# KiCad board Partial_Drawer_Controller_v1_hotfix.kicad_pcb (continued)
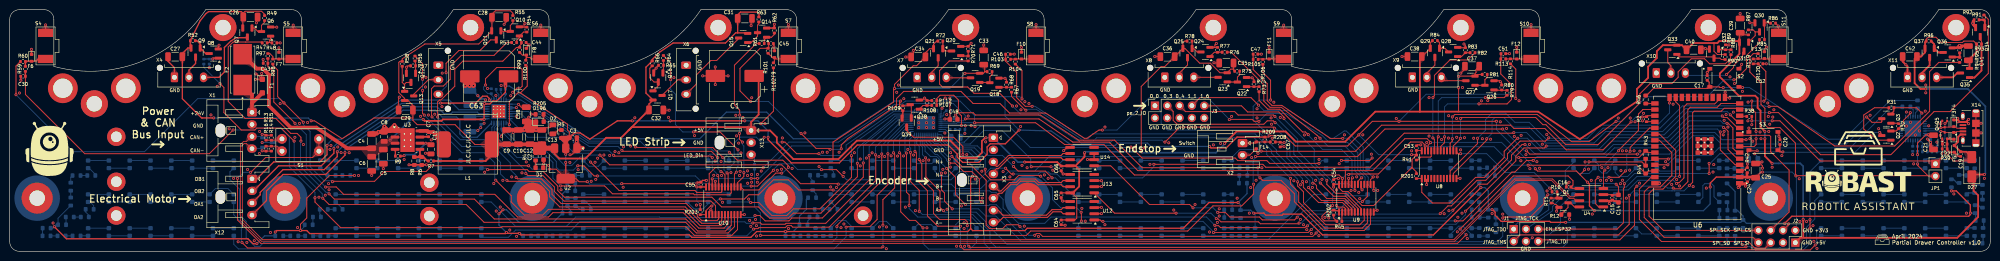
[diagram p0: board, top side]
## Routing (per net, layer and track width the routed paths; a pad name or vN(x,y) marks a point on that pad's centre or on a via; arc(x,y) is an arc through that point) (continued)
/LED_Din: length 2.3
  Bottom w0.18: X13.3 153.7,19.3 R3.1
/Power Stage/PG: length 1.6
  Top w0.25: U3.4 79.59,21.05 R9.2
  Top w0.35: 79.41,20.98 U3.4
A0: length 4.5
  Top w0.18: R41.2 290.59,18.89 291.2,19.5 293.2,19.5 293.35,19.65 U8.21
A1: length 1.6
  Top w0.18: 274.92,6.52 274.92,8.07 274.98,8.12
ADDR1: length 2.3
  Bottom w0.18: U7.39 U7.38 192.6,28 192.76,28.16 192.76,28.67 193.19,29.1
BRA: length 3.6
  Bottom w0.25: U11.23 95.04,27.95 94.96,27.87
BRB: length 3.6
  Bottom w0.25: U11.27 95.04,29.95 94.96,30.03
CAN+: length 308.9
  Top w0.153: R15.1 R13.1 52.72,24.2 v1(52.1,24.2) ; U4.7 323.25,10.47 322.79,10.92 321.93,10.92 318.23,14.62 310.72,14.62 299.76,3.66 299.76,3.66 298.2,2.1 51.92,2.1 47.6,6.42 47.6,22.08 48.22,22.7 48.83,22.7 49.88,23.75 X1.3
  Bottom w0.153: 52.52,23.45 52.22,23.75 52,23.75 ; 52,23.75 52,24.1 v1(52.1,24.2) ; 52,23.75 X1.3
CAN-: length 307.6
  Top w0.153: X1.4 49.88,21.25 48.83,22.3 48.38,22.3 48,21.92 48,6.58 52.13,2.45 298.05,2.45 310.58,14.98 318.37,14.98 322.07,11.28 322.79,11.28 323.25,11.73 U4.6 ; v1(52.1,20.8) 52.16,20.74 R14.2
  Bottom w0.153: v1(52.1,20.8) 51.9,21 51.9,21.25 ; 51.9,21.25 52.22,21.25 52.52,21.55 ; 51.9,21.25 X1.4
CAN_EN_High_Speed_Mode: length 23.9
  Top w0.18: v1(299.4,20.2) 298.9,20.2 298.55,20.55 U8.13 ; R10.1 318.29,12.59 v1(317.8,13.08)
  Bottom w0.18: 317.6,13.3 317.6,13.28 v1(317.8,13.08) 314.58,16.3 308.68,16.3 304.78,20.2 v1(299.4,20.2)
Drawer_1_A+: length 16.9
  Top w0.2: U12.6 217.39,9.04 216.98,8.63 215.11,8.63 213.96,7.48 205,7.48 203.97,8.5 X3.7
Drawer_1_A-: length 17.2
  Top w0.18: 203.2,5.8 X3.8
  Top w0.2: X3.8 203.97,6 205,7.02 214.14,7.02 215.3,8.18 216.98,8.18 217.39,7.77 U12.7
Drawer_1_B+: length 18.4
  Top w0.2: 203,12.9 X3.5 203.12,13.5 204.15,12.48 204.56,12.48 206.31,14.23 207.67,14.23 208.39,14.95 211.67,14.95 212.39,14.23 216.98,14.23 217.39,14.64 U13.6
Drawer_1_B-: length 18.5
  Top w0.2: U13.7 217.39,13.37 216.98,13.78 212.2,13.78 211.48,14.5 208.58,14.5 207.86,13.78 206.5,13.78 204.74,12.02 204.15,12.02 203.12,11 X3.6 203,11.7
Drawer_1_DIAG: length 53.7
  Top w0.18: v1(126.32,20.9) 126.52,20.7 144.8,20.7 v1(146.1,19.4) ; v1(146.77,16.49) 146.95,16.49 147.6,15.83 U10.18 ; R205.1 107.66,28.34 v1(107.6,28.4)
  Bottom w0.18: v1(126.32,20.9) 125.52,21.7 119.6,21.7 109.4,28.4 v1(107.6,28.4) 107.05,28.95 U11.11 ; v1(146.1,19.4) 146.16,19.34 146.16,17.1 v1(146.77,16.49)
Drawer_1_DIR: length 60.2
  Top w0.18: v1(113.7,13.53) 122.77,13.53 124.4,11.9 141.1,11.9 141.3,11.7 148.5,11.7 148.9,12.1 U10.16
  Bottom w0.18: 113.57,13.4 v1(113.7,13.53) 112.1,15.13 112.1,18.4 111.1,19.4 104.7,19.4 100,24.1 100,25.61 100.44,26.05 U11.19
Drawer_1_Encoder_A: length 147.1
  Top w0.18: v1(225.6,6.2) 225.3,6.2 225,6.5 U12.1 ; v1(248.4,3.9) 267.97,3.9 268.57,4.5 v1(268.6,4.5) ; U6.11 356.51,26.79 v1(355.05,28.25) ; v1(300.4,8.3) 310.81,18.71 310.81,19.71 312.49,21.39 316.69,21.39 v1(317.08,21.78)
  Bottom w0.18: 317.1,21.8 317.6,21.8 ; 317.1,21.8 v1(317.08,21.78) ; 317.1,21.8 327.55,21.8 329.85,24.1 341.4,24.1 346.19,28.89 354.44,28.89 355.05,28.28 v1(355.05,28.25) ; v1(248.4,3.9) 248.4,4.03 246.23,6.2 v1(225.6,6.2) ; v1(300.4,8.3) 300.4,7.55 298.45,5.6 269.7,5.6 v1(268.6,4.5)
Drawer_1_Encoder_B: length 134.8
  Top w0.18: U13.1 228,7.9 v1(240.7,7.9) ; v1(248.99,6.79) 249.28,6.79 249.97,6.1 257.7,6.1 258.1,5.7 265.93,5.7 v1(266.08,5.86) ; v1(317.6,23.49) 316.91,22.8 311.7,22.8 309.1,20.2 309.1,19.2 304.6,14.7 302.8,14.7 297.5,9.4 296.8,9.4 v1(295.2,7.8) ; U6.24 342.5,31.81 v1(342.5,30.7)
  Bottom w0.18: v1(240.7,7.9) 247.87,7.9 v1(248.99,6.79) ; v1(342.5,30.7) 342.5,28.6 340,26.1 328.25,26.1 325.55,23.4 317.69,23.4 v1(317.6,23.49) ; v1(266.08,5.86) 266.52,5.86 268.37,7.7 295.1,7.7 v1(295.2,7.8)
Drawer_1_Encoder_N: length 65.6
  Top w0.18: U14.1 227.21,17.7 235.2,9.7 243.5,9.7 v1(244.2,9) ; v1(249.28,8.06) 250.84,8.06 251.8,7.1 257.9,7.1 258.5,6.5 265.12,6.5 v1(265.7,7.08) ; 280.18,13.85 280.18,11.35 v1(279.11,10.29)
  Bottom w0.18: v1(249.28,8.06) 248.35,9 v1(244.2,9) ; v1(265.7,7.08) 267.02,8.4 276.4,8.4 278.33,10.33 278.36,10.31 278.84,10.31 278.87,10.29 v1(279.11,10.29)
Drawer_1_INDEX: length 52.5
  Top w0.18: 124.73,20 v1(124.62,19.88) 124.8,19.7 144.69,19.7 v1(144.98,19.41) ; v1(146.1,15.69) 146.3,15.49 U10.20
  Bottom w0.18: v1(124.62,19.88) 123.69,20.81 118.06,20.81 116.3,22.57 116.3,23.2 109.5,27.7 107.9,27.7 107.37,27.17 106.83,27.17 105.51,28.49 103.36,28.49 U11.12 ; v1(146.1,15.69) 146.1,15.9 144.98,17.02 v1(144.98,19.41)
Drawer_1_N+: length 17.6
  Top w0.2: 203.12,18.5 X3.3 203,18.19 203.62,17.57 203.86,17.57 206.11,19.83 216.95,19.83 217.36,20.23 218.82,20.23
Drawer_1_N-: length 17.8
  Top w0.2: 203.12,16 X3.4 203,16.5 203.62,17.12 204.04,17.12 206.29,19.38 216.95,19.38 217.36,18.97 218.82,18.97
Drawer_1_OA1: length 57.6
  Top w0.25: v1(67.6,20.6) 67.6,19.6 64.9,16.9 56.4,16.9 51.7,12.2 51.7,11.7 X12.3
  Bottom w0.25: v1(67.6,20.6) 68.5,21.5 81.2,29.9 88.2,29.9 89.61,28.49 91.09,28.49 91.4,28.8 96.5,28.8 96.85,28.45 U11.24
Drawer_1_OA2: length 64.7
  Top w0.25: v1(69.19,20.42) 69.19,19.89 65.2,15.9 56.4,15.9 53,12.5 53,10.5 X12.4
  Bottom w0.25: 99.41,26.6 U11.21 96.47,23.6 93.6,23.6 92.9,24.3 92.9,27.1 92.2,27.8 89.23,27.8 87.83,29.2 81.2,29.2 69.19,21.09 v1(69.19,20.42)
Drawer_1_OB1: length 56.5
  Top w0.25: v1(65.5,21.9) 65.47,21.88 65.47,19.98 64,18.5 54.5,18.5 51,15 X12.1
  Bottom w0.25: U11.26 97.05,29.45 96.9,29.3 92.7,29.3 90.7,31.3 80.8,31.3 68.4,23.18 66.6,23.18 65.5,22.08 v1(65.5,21.9)
Drawer_1_OB2: length 58.3
  Top w0.25: X12.2 50.3,12.5 55.5,17.7 64.3,17.7 66.9,20.3 v1(66.9,21.3) ; v1(88.9,30.67) 96.17,30.67 97.6,32.1 98.5,32.1 99,31.6 v1(99,31.3)
  Bottom w0.25: v1(88.9,30.67) 88.83,30.6 80.9,30.6 68.5,22.3 67.53,22.3 66.9,21.67 v1(66.9,21.3) ; 50.4,12.5 X12.2 ; v1(99,31.3) 99.42,31.3
Drawer_1_SPREAD: length 55.8
  Top w0.18: v1(129.1,21.6) 129.2,21.5 145.08,21.5 v1(147.17,19.41) ; 148.2,16.1 148.17,16.1 v1(148.04,16.23) 148.25,16.02 U10.17
  Bottom w0.18: U11.7 105.48,31.32 109.8,28.6 119.35,22.4 128.35,22.4 129.1,21.65 v1(129.1,21.6) ; 147.4,19.1 147.4,19.18 v1(147.17,19.41) 147.39,19.19 147.39,16.88 v1(148.04,16.23)
Drawer_1_STDBY_TMC2209: length 57.8
  Top w0.18: U10.4 145.65,9.46 145.15,9.96 145.14,9.96 144.7,10.4 114.4,10.4 112.4,12.4 112.4,13.3 110,15.7 106.9,15.7 v1(106.5,16.1)
  Bottom w0.18: v1(106.5,16.1) 106.5,16.6 100.65,22.45 100.65,22.6 99.5,23.75 99.5,25.65 99.94,26.09 U11.20
Drawer_1_STEP: length 54.2
  Top w0.18: v1(119.87,18.47) 125.75,12.6 141.4,12.6 141.8,12.2 146.8,12.2 146.95,12.35 U10.19
  Bottom w0.18: U11.16 101.94,25.86 102.2,25.6 102.2,24.98 105.08,22.1 110.2,22.1 114.5,17.8 116,17.8 117.72,19.52 118.83,19.52 v1(119.87,18.47)
Drawer_1_~EN_TMC2209: length 95
  Top w0.18: v1(103.8,32.9) 104.7,33.8 105.4,33.8 105.75,34.15 105.75,37.65 105.35,38.05 100.53,38.05 98.2,35.73 v1(98.2,34.4) ; v1(160.7,17.4) 160.7,17.7 159.54,18.86 150.14,18.86 v1(148.5,20.5) ; U10.13 151.47,12.7 154.6,12.7 158.09,16.19 v1(159.31,16.19)
  Bottom w0.153: U11.2 99.94,31.82 99.38,32.37 99.38,32.63
  Bottom w0.18: v1(160.7,17.4) 159.49,16.19 v1(159.31,16.19) ; 99.38,32.63 98.67,32.63 97.8,33.5 97.8,34 v1(98.2,34.4) ; v1(148.5,20.5) 148.24,20.76 145.24,20.76 144.8,21.2 131.7,21.2 130.1,22.8 119.5,22.8 105.74,31.96 104.77,32.6 104.1,32.6 v1(103.8,32.9)
Drawer_DAC_VREF: length 281.1
  Top w0.18: v1(353.4,28) 353.69,27.71 354.39,27.71 356.58,25.52 U6.10 ; v1(117.22,17.7) 118.5,17.7 120.6,15.6 v1(121.3,15.6) ; v1(153,13.5) 154.32,13.5 157.6,16.78 v1(157.6,16.78) ; v1(205.5,17.2) 206.71,15.99 v1(207.09,15.99) ; v1(310.39,24.56) 310.28,24.45 287.78,24.45 280.73,17.4 259.2,17.4 258.6,18 v1(236.1,18) ; v1(167.5,16.9) 170.6,16.9 v1(172,15.5)
  Bottom w0.18: v1(310.39,24.56) 310.41,24.58 313.02,24.58 316.41,21.19 321.69,21.19 321.7,21.2 328.05,21.2 330.35,23.5 342.1,23.5 346.6,28 v1(353.4,28) ; v1(236.1,18) 236.1,17.5 233.8,15.2 216.9,15.2 216.1,16 214.8,16 214.4,16.4 212.7,16.4 212.29,15.99 v1(207.09,15.99) ; v1(121.3,15.6) 141.5,15.6 143.01,14.09 144.39,14.09 144.98,13.5 v1(153,13.5) ; v1(167.5,16.9) 162.6,16.9 161.4,18.1 158.8,18.1 157.6,16.91 v1(157.6,16.78) ; v1(205.5,17.2) 202.43,17.2 199.59,14.36 198.34,14.36 197.9,14.8 197.9,15.65 197.06,16.49 195.94,16.49 194.25,14.8 172.7,14.8 v1(172,15.5) ; v1(117.22,17.7) 116.32,16.8 113.4,16.8 112.8,17.4 112.8,18.6 110.8,20.6 105.7,20.6 101.54,24.76 C56.1 101.44,25.36 U11.17
DTR: length 8.7
  Top w0.18: Q3.2 388.81,29.01 R31.1 393.5,29.7 v1(394.6,28.6)
  Bottom w0.18: v1(394.6,28.6) 394.25,28.25 U5.28
EN_ESP32: length 95
  Top w0.18: J1.5 331.7,4.6 333,5.9 333,13 333.2,13.2 v1(333.2,14) ; U6.3 357.73,16.63 358.6,17.5 v1(358.6,18.08) 358.6,20.65 S3.2 359.05,20.8 v1(360.6,20.8) ; C20.2 365.3,21.35 S3.2 365.28,20.57 v1(365.92,20.57) ; v1(385.9,24.6) 386.32,24.17 Q2.3 ; v1(350.7,18.2) v1(350.7,16.1)
  Bottom w0.18: v1(360.6,20.8) 360.83,20.57 v1(365.92,20.57) 365.99,20.5 380.8,20.5 384.9,24.6 v1(385.9,24.6) ; v1(350.7,18.2) 350.9,18.2 352.9,20.2 357.65,20.2 C23.1 358.6,18.75 v1(358.6,18.08) ; v1(350.7,16.1) 335.3,16.1 v1(333.2,14)
Enable_LED_VDD: length 116
  Top w0.18: v1(196.4,26.03) 196.4,28.05 195.78,28.67 ; v1(258,15.21) 258.51,14.7 262.36,14.7 265.1,11.96 265.1,10.3 271.1,4.3 279.5,4.3 280.82,5.62 U9.11 ; R107.1 R112.2 191.31,31.61 192,32.3 194.8,32.3 195.78,31.33 195.78,28.67 ; 195.78,28.67 198.82,28.67 199.3,28.2 212.7,28.2 220.6,23 228,23 233.7,17.3 257.59,17.3 v1(257.6,17.29)
  Bottom w0.18: v1(257.6,17.29) 257.6,15.61 v1(258,15.21) ; U7.43 196.37,26 v1(196.4,26.03)
FB: length 5.7
  Top w0.35: 84.1,19.52 84.28,19.52 84.66,19.89 ; 84.1,19.52 R8.1 ; 84.1,19.52 R6.1 ; U3.5 84.66,19.89 ; 84.66,19.89 R6.1 ; R6.1 85.38,19.52 86.21,18.69 R7.2
IO0: length 1.9
  Top w0.18: U6.25 339.48,30.58 337.6,30.58
IO0_BTN: length 58.3
  Top w0.18: 350.7,34.02 352.77,34.02 352.9,33.9 v1(353.6,33.9) ; 350.7,34.02 350.7,35 C17.2 ; 350.7,34.02 350.38,33.7 339.2,33.7 337.73,32.23 R46.2 ; 356.7,34.02 356.82,33.9 v1(357.6,33.9) ; Q3.3 386.32,26.83 386.2,26.7 384.3,26.7 v1(383.2,27.8)
  Bottom w0.18: v1(383.2,27.8) 383.1,27.8 378.5,23.2 375.2,23.2 359,33.9 v1(357.6,33.9) v1(353.6,33.9)
IO17_UART2_TX: length 1.8
  Top w0.18: U6.28 339.47,26.82 R2.2
IO27: length 1.6
  Top w0.18: R38.1 358.43,27.95 356.95,27.95
JTAG_TCK: length 61.2
  Top w0.18: v1(343.97,14.04) 344.13,14.2 344.5,14.2 345.5,15.2 345.5,29.9 346.1,30.5 351.86,30.5 352.69,31.34 U6.16
  Bottom w0.18: v1(343.97,14.04) 343.32,14.69 335.99,14.69 334,12.7 321.8,12.7 318.4,9.3 318.4,8.4 J1.3 313.4,4.6
JTAG_TDI: length 67
  Top w0.18: v1(343.28,13.1) 343.45,12.93 344.83,12.93 346.3,14.4 346.3,29.3 346.8,29.8 352.35,29.8 353.15,30.6 U6.14 ; v1(335.8,13.5) 335.3,13 335.3,5.4 332.27,2.38 315.75,2.38 J1.6
  Bottom w0.18: v1(335.8,13.5) 335.8,13.5 341.7,13.5 342.1,13.1 v1(343.28,13.1)
JTAG_TDO: length 56
  Top w0.18: v1(344.6,15.51) 344.6,30.12 343.81,30.92 U6.23
  Bottom w0.18: J1.1 310.36,5.06 311.2,5.9 313.8,5.9 317.6,8.6 317.6,9.6 321.3,13.3 333.6,13.3 335.81,15.51 v1(344.6,15.51)
JTAG_TMS: length 70.1
  Top w0.18: J1.2 311.7,3.4 332,3.4 334.2,5.6 v1(334.2,11.6) ; v1(346.6,13.6) 347.3,14.3 347.3,28.7 347.6,29 353.2,29 353.8,29.6 356.73,29.6 U6.13
  Bottom w0.18: v1(346.6,13.6) 345.51,12.52 343.53,12.52 343.53,12.51 343.04,12.51 343.04,12.52 335.12,12.52 v1(334.2,11.6)
LED_D_in: length 237.2
  Top w0.18: v1(308.1,25.3) 283.8,25.3 278.1,19.6 257.09,19.6 v1(257.07,19.62) ; U6.8 357.11,23.09 v1(358.33,23.09) ; v1(313,20.8) 313.68,20.12 v1(335.9,20.12) ; v1(256.7,13.9) 256.7,11.87 254.23,9.4 248.3,9.4 243.1,4.2 210.7,4.2 209.8,3.3 v1(154.9,3.3)
  Bottom w0.18: v1(257.07,19.62) 257.07,19.33 256.6,18.87 256.6,14 v1(256.7,13.9) ; v1(308.1,25.3) 312.6,20.8 v1(313,20.8) ; v1(358.33,23.09) 358.32,23.1 353.35,23.1 351.85,24.6 347,24.6 342.52,20.12 v1(335.9,20.12) ; v1(154.9,3.3) 154.9,7.98 153.7,9.18 R3.2
LED_Out_0: length 161.7
  Top w0.18: v1(172.6,5) 172.7,5.1 177.5,5.1 179,6.6 179,11.6 181.22,13.83 v1(181.22,20.2)
  Bottom w0.18: v1(172.6,5) 172.6,3 170.1,0.5 47.2,0.5 46.24,1.46 D35.1 ; v1(181.22,20.2) 181.22,22.42 184.8,26 U7.17
LED_Out_1: length 169.9
  Top w0.18: v1(47.94,1.84) 49.08,0.7 179.96,0.7 v1(180.2,0.94) ; v1(182.38,20.38) 182.62,20.14 182.62,13.12 180.2,10.7 v1(180.2,5.4)
  Bottom w0.18: 47.8,4.3 47.8,6 46.24,7.56 D10.1 ; v1(180.2,0.94) v1(180.2,5.4) ; v1(47.94,1.84) 47.8,1.97 47.8,4.4 ; v1(182.38,20.38) 182.38,20.39 182.38,22.88 185.1,25.6 U7.16
LED_Out_2: length 170.4
  Top w0.18: v1(179.95,20.15) 179.95,19.85 179.96,19.84 179.96,19.35 179.95,19.35 179.95,14.6 170.7,5.35 v1(170.7,5.1)
  Bottom w0.18: D18.1 45.91,16.88 45.88,16.88 45.45,16.45 45.45,14.85 47.4,12.9 47.4,7.6 48.8,6.2 48.8,2.81 50.57,1.04 51.64,1.04 52.5,1.9 169.72,1.9 170.7,2.88 v1(170.7,5.1) ; v1(179.95,20.15) 179.95,21.85 184.5,26.4 U7.18
LED_Out_3: length 103.4
  Top w0.18: v1(153.35,5.85) 153.39,5.9 154.9,5.9 155.2,5.6 160,5.6 160.2,5.8 168.4,5.8 177.38,14.78 177.38,19.84 v1(177.36,19.86)
  Bottom w0.18: U7.20 183.3,27.2 178.1,22.4 177.36,21.66 v1(177.36,19.86) ; D26.1 97.64,2.9 102.9,2.9 104.4,4.4 115.9,4.4 117.6,6.1 151.7,6.1 152,5.8 153.29,5.8 v1(153.35,5.85)
LED_Out_4: length 105.2
  Top w0.18: v1(153.8,7.4) 154.8,7.4 155.9,6.3 160.8,6.3 161.4,6.9 167.7,6.9 176.15,15.35 v1(176.15,18.3)
  Bottom w0.18: 153.4,7 v1(153.8,7.4) 153.41,7.01 134.19,7.01 134.1,7.1 116.8,7.1 114.9,5.2 104.37,5.2 99.35,10.21 D43.1 ; U7.21 183,27.6 176.2,21.95 176.2,18.35 v1(176.15,18.3)
LED_Out_5: length 105.5
  Top w0.18: v1(174.93,18.23) 174.93,15.42 167.4,7.9 161.7,7.9 160.68,6.88 156.82,6.88 154.5,9.2 146.9,9.2 144.9,11.2 114.48,11.2 113.11,12.57 113.11,13.49 110.07,16.53 107.17,16.53 106.8,16.9 v1(98.6,16.9)
  Bottom w0.18: v1(98.6,16.9) 98.29,17.21 D51.1 ; U7.22 182.7,28 181.78,27.08 176.06,22.33 176.04,22.33 174.93,21.21 v1(174.93,18.23)
LED_Out_6: length 51.9
  Top w0.18: v1(153.5,4.6) 153.6,4.7 154.4,4.7 154.6,4.9 160.04,4.9 160.46,5.31 161.28,5.31 161.6,5 169.1,5 178.72,14.62 178.72,19.92 v1(178.67,19.98)
  Bottom w0.18: U7.19 183.9,26.8 178.67,21.57 v1(178.67,19.98) ; D59.1 152.11,3.21 v1(153.5,4.6)
LED_Out_7: length 51.7
  Top w0.18: v1(152.9,10.1) 154.6,10.1 157.3,7.4 160.3,7.4 161.7,8.8 167.2,8.8 173.7,15.3 v1(173.7,19.8)
  Bottom w0.18: 173.7,19.9 v1(173.7,19.8) 173.7,22 182.5,28.4 U7.23 ; D67.1 152.79,10.21 v1(152.9,10.1) 152.8,10.2 152.3,10.2
LED_Out_8: length 48.8
  Top w0.18: v1(159.4,22.6) 160,22.6 162.4,20.2 v1(167,20.2)
  Bottom w0.18: U7.24 186.64,29 182.5,29 172.6,22 172.6,20.79 171.63,19.82 167.38,19.82 v1(167,20.2) ; v1(159.4,22.6) 155.1,22.6 154.06,23.64 150.76,23.64 149.5,22.38 149.5,18.3 148.42,17.22 D75.1
LED_Out_9: length 41.2
  Top w0.18: v1(188.48,4.85) 186.93,6.4 185.65,6.4 183.88,8.17 183.88,20.15 v1(183.63,20.4)
  Bottom w0.18: U7.15 185.6,25.2 183.62,23.23 183.62,20.4 v1(183.63,20.4) ; v1(188.48,4.85) 188.48,1.6 189.62,0.46 198.15,0.46 199.51,1.82 D83.1
LED_Out_10: length 21.8
  Top w0.18: v1(200.53,10.23) 200.1,10.65 200.1,14.93 198.54,16.49 196.87,16.49 195.11,18.25 v1(193.96,18.25)
  Bottom w0.18: v1(200.53,10.23) 199.53,10.23 D91.1 ; U7.7 189.1,22.62 190.72,21 191.43,21 193.31,19.11 193.31,18.8 193.86,18.25 v1(193.96,18.25)
LED_Out_11: length 15.5
  Bottom w0.18: D99.1 199.84,17.21 200.28,17.65 200.28,19.22 198.5,21 192.9,21 191.6,22.3 190.84,22.3 189.9,23.23 U7.5
LED_Out_12: length 45.5
  Top w0.18: v1(212.76,15.54) 212.76,15.54 212.6,15.7 208.2,15.7 207.3,14.8 202.46,14.8 201.3,15.96 v1(201.3,17) ; v1(221.1,8.1) 221.15,8.05 v1(221.15,6.25)
  Bottom w0.18: U7.4 190.3,23.37 190.99,22.67 191.94,22.67 193.22,21.4 199.1,21.4 201.3,19.2 v1(201.3,17) ; v1(212.76,15.54) 215.2,13.11 215.2,10.7 216.9,9 220.2,9 v1(221.1,8.1) ; v1(221.15,6.25) 220.54,5.64 D107.1
LED_Out_13: length 35.3
  Top w0.18: v1(215.1,15.2) 213.7,16.6 208.11,16.6 v1(207.16,17.56)
  Bottom w0.18: v1(215.1,15.2) 215.8,15.2 219.2,11.8 220.53,11.8 D115.1 ; U7.3 190.7,23.51 191.15,23.05 192.22,23.05 193.45,21.82 199.68,21.82 201.64,19.86 204.85,19.86 v1(207.16,17.56)
LED_Out_14: length 36.2
  Top w0.18: v1(214.9,17.5) v1(210.8,17.5)
  Bottom w0.18: v1(210.8,17.5) 210.7,17.6 210.7,19.1 204.8,25 201,25 198.2,22.2 193.61,22.2 192.38,23.44 191.31,23.44 191.1,23.64 U7.2 ; v1(214.9,17.5) 216,17.5 217.29,18.79 D123.1
LED_Out_15: length 98.7
  Top w0.18: v1(211.53,3.32) 211.9,3.69 212.54,3.69 213.13,3.1 268.9,3.1 v1(269.6,3.8) ; v1(194.43,19.65) 196.57,17.5 198.7,17.5 201.5,14.7 201.5,5.4 202.2,4.7 204.9,4.7 205.7,5.5 208.1,5.5 v1(208.5,5.1)
  Bottom w0.18: D131.1 270.59,4.79 v1(269.6,3.8) ; v1(208.5,5.1) 210.28,3.32 v1(211.53,3.32) ; U7.6 189.5,22.92 190.51,21.91 191.28,21.91 193.55,19.65 v1(194.43,19.65)
LED_Out_16: length 100.2
  Top w0.18: v1(197.2,9.7) 195.16,11.74 195.16,15.35 v1(193.34,17.16)
  Bottom w0.18: D139.1 269.09,11.79 259.79,2.48 209.81,2.48 204.6,7.7 204.6,8.64 203.6,9.64 202.24,9.64 202.09,9.48 197.41,9.48 v1(197.2,9.7) ; U7.8 188.7,22.31 191,20.02 191.43,20.02 192.3,19.15 192.3,18.21 v1(193.34,17.16)
LED_Out_17: length 86.1
  Top w0.18: 231.43,21.58 231.7,21.3 ; 231.43,21.58 233.7,19.3 252.9,19.3 253.44,18.76 259.44,18.76 260,18.2 270.19,18.2 v1(270.2,18.21) ; 231.43,21.58 v1(231.4,21.58)
  Bottom w0.18: U7.1 192.21,24.14 193.76,22.59 197,22.59 197,22.62 200.28,25.9 206.2,25.9 210.6,21.5 231.32,21.5 v1(231.4,21.58) ; D147.1 270.79,18.79 270.79,18.77 270.44,18.42 270.41,18.42 v1(270.2,18.21)
LED_Out_18: length 159.5
  Top w0.18: v1(185.87,20.49) 185.93,20.44 185.93,14.4 187.69,12.64 v1(187.69,8.28)
  Bottom w0.18: v1(185.87,20.49) 185.93,20.55 185.93,21.33 185.68,21.59 185.68,23.11 U7.13 ; D155.1 321.89,4.79 321.42,4.32 321.42,1.78 320.48,0.83 204.29,0.83 204.27,0.86 203.53,0.86 202.29,2.1 202.29,4.06 198.75,7.6 188.37,7.6 v1(187.69,8.28)
LED_Out_19: length 157.2
  Top w0.18: v1(189.01,19.35) 189.06,19.29 189.06,15.38 191.97,12.48 191.97,9.09 192.66,8.4 v1(192.7,8.4)
  Bottom w0.18: D163.1 322.49,11.79 320,9.3 320,5.73 317.67,3.4 309.9,3.4 307.97,1.47 205.79,1.47 201.47,5.79 201.47,6.05 199.43,8.1 193,8.1 v1(192.7,8.4) ; v1(189.01,19.35) 188.38,19.98 188.38,21.56 187.9,22.04 U7.10
LED_Out_20: length 161
  Top w0.18: v1(194.5,8.79) 192.9,10.39 192.9,12.09 192.28,12.71 v1(192.28,16.17) ; v1(317.4,11.7) 316.6,10.9 316.6,9.9 313.8,7.1 308.3,7.1 v1(308.1,6.9)
  Bottom w0.18: v1(192.28,16.17) 191.9,16.55 191.9,19.01 191.27,19.64 189.99,19.64 188.9,20.73 188.9,21.57 188.3,22.17 U7.9 ; v1(194.5,8.79) 199.91,8.79 201.4,7.3 203.5,7.3 208.8,2 307,2 308.1,3.1 v1(308.1,6.9) ; v1(317.4,11.7) 318.3,11.7 321.01,14.41 321.01,16.71 322.72,18.41 D171.1
LED_Out_21: length 211.4
  Top w0.18: 186.81,20.46 v1(186.81,20.66) 187.1,20.37 187.1,14.82 189.38,12.55 189.38,7.33 191.5,5.2 v1(196.2,5.2) ; v1(372.6,1.33) 371.56,0.28 360.23,0.28 360.19,0.33 196.94,0.33 v1(196.2,1.06)
  Bottom w0.18: D179.1 373.41,4.79 372.9,4.28 372.9,1.62 v1(372.6,1.33) ; U7.12 187.1,23.64 186.8,23.34 186.8,21.9 186.81,21.89 v1(186.81,20.66) ; v1(196.2,1.06) v1(196.2,5.2)
LED_Out_22: length 216.1
  Top w0.18: v1(197.92,1.06) 198.16,0.83 358.17,0.83 v1(358.3,0.96) ; v1(197.6,5.31) 197.6,6.1 197.1,6.6 191.88,6.6 190.65,7.83 190.65,12.52 188.22,14.95 188.22,18.17 187.88,18.51 187.88,18.81 v1(187.69,19) 187.6,18.91
  Bottom w0.18: U7.11 187.5,23.51 187.18,23.19 187.18,22.22 187.69,21.7 v1(187.69,19) ; D187.1 372.5,10.48 372.5,6.7 370.75,4.95 370.75,1.62 369.79,0.66 365.47,0.66 365.3,0.83 365.14,0.66 360.39,0.66 360.27,0.78 359.35,0.78 359.15,0.97 358.31,0.97 v1(358.3,0.96) ; v1(197.92,1.06) 197.6,1.38 v1(197.6,5.31) 197.6,5.1
LED_Out_23: length 226.7
  Top w0.18: v1(371.51,6.54) 371.52,6.53 v1(371.52,4.8) ; v1(185.03,20.35) 185.06,20.32 185.06,12.24 185.62,11.68 v1(185.62,9.47)
  Bottom w0.18: v1(185.03,20.35) 184.75,20.62 184.75,23.41 U7.14 ; v1(371.52,4.8) 371.52,1.67 371.42,1.57 371.42,1.56 370.14,0.28 202.44,0.28 201.09,1.63 201.09,4.5 198.5,7.1 187.38,7.1 185.62,8.86 v1(185.62,9.47) ; D195.1 371.51,16.49 v1(371.51,6.54)
Lock_1_Close_Control: length 134.3
  Top w0.18: v1(43.4,34.7) 44.2,33.9 44.2,28.7 47.79,25.11 50.6,25.11 50.99,25.5 56,25.5 v1(58.7,22.8) ; v1(64.6,11) 65.9,9.7 94.2,9.7 97.9,6 139.5,6 141.7,3.8 148.25,3.8 149.55,5.1 U10.10
  Bottom w0.18: v1(43.4,34.7) 40.06,38.04 R50.1 ; v1(64.6,11) 64.5,11.1 64.5,11.9 58.7,17.7 v1(58.7,22.8)
Lock_1_Open_Control: length 140.1
  Top w0.18: v1(65.9,11.9) 67,10.8 95.9,10.8 100,6.7 139.5,6.7 142,4.2 147.7,4.2 148.9,5.4 U10.9 ; R47.1 51.94,43.3 48.71,43.3 48.71,43.3 46.1,43.3 45.1,42.3 45.1,31 48.6,27.5 54.9,27.5 58,24.4 59.3,24.4 60.1,23.6 v1(60.1,22.8)
  Bottom w0.18: v1(65.9,11.9) 65.6,12.2 65.3,12.2 60,17.5 60,22.7 v1(60.1,22.8)
Lock_1_VDD_Close: length 4.7
  Top w0.25: X4.2 37,37.5 38.36,38.86 Q9.3
Lock_1_VDD_Open: length 15.4
  Top w0.25: X4.3 43.2,36 44.3,37.1 44.3,42.2 44.33,42.2 45.6,43.47 46.7,44.2 48.92,44.2 Q7.3
Lock_2_Close_Control: length 90.1
  Top w0.18: v1(85.2,35.6) 85.2,38.84 83.63,40.41 ; U10.7 147.6,6.1 146.8,5.3 142.5,5.3 139.1,8.7 111.2,8.7 110,7.5 106.2,7.5 103.5,10.2 103.5,11.52 v1(100.3,14.72) ; v1(85.56,28.18) 85.2,28.54 v1(85.2,33.3)
  Bottom w0.18: v1(85.2,35.6) v1(85.2,33.3) ; v1(100.3,14.72) 100.1,14.92 100.1,18.3 98,20.4 93.34,20.4 v1(85.56,28.18)
Lock_2_Open_Control: length 100.4
  Top w0.18: v1(87.15,27.8) 87.05,27.91 87.05,33.65 87.6,34.2 89.5,34.2 90.9,35.6 90.9,38.25 93.2,40.55 99.95,40.55 102.6,43.2 R53.1 ; 147,7.55 U10.6 146.95,6.45 146.3,5.8 142.8,5.8 139.4,9.2 113.5,9.2 111.4,11.3 111.4,12.39 109.3,14.49 102.8,14.49 v1(102.6,14.69)
  Bottom w0.18: v1(102.6,14.69) 101.3,15.99 101.3,18.4 98,21.7 93.3,21.7 87.2,27.8 v1(87.15,27.8)
Lock_2_VDD_Close: length 6.7
  Top w0.18: X5.2 86.4,35.5 83.38,32.48 Q13.3
Lock_2_VDD_Open: length 19.5
  Top w0.18: v1(90.05,36.95) 90.05,38.9 92.7,41.55 97.05,41.55 99.25,43.75 100.45,43.75
  Bottom w0.18: v1(90.05,36.95) 90.1,36.9 90.1,34.15 X5.3
Lock_3_Close_Control: length 38.4
  Top w0.18: v1(150.3,20.99) 150.3,21 146.6,24.7 v1(141.1,24.7) ; U10.15 149.55,15.98 v1(149.96,16.39) ; v1(136.4,35.5) 136.4,39.02 R64.1
  Bottom w0.18: v1(149.96,16.39) 149.96,17.26 150.3,17.6 v1(150.3,20.99) ; v1(136.4,35.5) 136.4,33.5 137.4,32.5 137.4,26.2 138.9,24.7 v1(141.1,24.7)
Lock_3_Open_Control: length 33.7
  Top w0.18: 151.5,16.4 v1(151.5,16.3) 151.5,15.5 150.2,14.2 U10.14 ; R61.1 154.05,43 149.55,38.5 149.55,30.3 150.64,29.21 v1(150.64,28.17) ; v1(150.6,24.4) 150.6,23.2 v1(151.2,22.6)
  Bottom w0.18: v1(150.6,24.4) 150.6,28.13 v1(150.64,28.17) ; v1(151.5,16.3) 151.5,21.8 151.2,22.1 v1(151.2,22.6)
Lock_3_VDD_Close: length 6.3
  Top w0.18: X6.2 137.88,35.5 Q17.3
Lock_3_VDD_Open: length 17.1
  Top w0.18: Q15.3 150.43,44.02 148.65,42.25 ; X6.3 141.7,34.61 141.7,36.5 144.7,39.5 145.9,39.5 148.82,42.42
Lock_4_Close_Control: length 111.5
  Top w0.18: v1(206.95,30.05) 204.31,32.7 199,32.7 197.7,34 192.5,34 191.9,34.6 191.9,37.4 193.89,39.39 R70.1 ; v1(268.9,14.1) 269.2,14.1 269.69,13.61 269.69,13.01 271.8,10.9 275.54,10.9 277.57,8.86 U9.6 ; v1(238.4,22.6) 241.5,25.7 260.77,25.7 v1(261,25.48)
  Bottom w0.18: v1(268.9,14.1) 268.9,15 264.2,19.7 264.2,22.5 261.23,25.48 v1(261,25.48) ; v1(238.4,22.6) 238.2,22.6 237.8,23 227.6,23 227,22.4 221.2,22.4 212.4,28.2 212.2,28.4 208.61,28.4 v1(206.95,30.05)
Lock_4_Open_Control: length 90.7
  Top w0.18: v1(264.3,15.11) 264.3,13.9 266,12.2 266,10.2 271.4,4.8 279.1,4.8 280.18,5.88 280.18,8.12 ; R67.1 206.75,32.05 209.6,29.2 v1(209.7,29.2)
  Bottom w0.18: v1(264.3,15.11) 259.4,20.02 259.4,20.9 256.76,23.54 253.44,23.54 253.4,23.5 224.3,23.5 223.6,22.8 221.8,22.8 211.82,29.4 209.9,29.4 v1(209.7,29.2)
Lock_4_VDD_Close: length 4.6
  Top w0.18: Q21.3 191.6,38.4 190.27,37.07 X7.2
Lock_4_VDD_Open: length 5.1
  Top w0.18: Q19.3 193.37,35.9 X7.3
Lock_5_Close_Control: length 43.7
  Top w0.18: v1(270.4,23.4) 270.4,23.41 269.84,23.97 269.8,24 262.4,29.8 260.1,29.8 258.8,31.1 258.8,34.47 252.07,41.2 R76.1 ; v1(279.01,15.21) 278.91,15.21 278.23,14.52 U9.18
  Bottom w0.18: v1(270.4,23.4) 272.1,21.7 275.6,21.7 277.6,19.7 277.6,16.65 279.01,15.24 v1(279.01,15.21)
Lock_5_Open_Control: length 31.4
  Top w0.18: R73.1 257.82,31.23 259.63,29.42 262.1,29.4 266.8,24.7 267.39,24.7 267.94,24.15 v1(267.97,24.15) ; 277.09,15.11 v1(277.09,15.21) 276.93,15.04 U9.20
  Bottom w0.18: v1(267.97,24.15) 267.97,24.03 270.9,21.1 274.81,21.1 277,18.91 277,15.3 v1(277.09,15.21)
Lock_5_VDD_Close: length 4.8
  Top w0.18: X8.2 241.36,36.86 243.05,38.55 Q25.3
Lock_5_VDD_Open: length 5
  Top w0.18: Q23.3 X8.3
Lock_6_Close_Control: length 26.2
  Top w0.18: v1(293.7,31.8) 293.7,31.9 294,32.2 294,36.4 297.2,39.6 300.9,39.6 R82.1 ; v1(293.68,23.47) 294,23.16 U8.20
  Bottom w0.18: v1(293.7,31.8) 293.68,31.78 v1(293.68,23.47)
Lock_6_Open_Control: length 25.1
  Top w0.18: R79.1 308.9,32.3 308.4,31.8 v1(304.5,31.8) ; v1(294.8,23.7) 294.65,23.55 U8.19
  Bottom w0.18: v1(304.5,31.8) 295.5,31.8 294.8,31.1 v1(294.8,23.7)
Lock_6_VDD_Close: length 4.8
  Top w0.18: X9.2 292.45,36.88 294.1,38.52 Q29.3
Lock_6_VDD_Open: length 5.3
  Top w0.18: Q27.3 296.15,35.3 X9.3
Lock_7_Close_Control: length 76.2